# Altium PCB WX0.011.893PCB-4.2(1).PcbDoc (part 1 of 2)
Units mil, origin at the board's own origin, x right, y up, seen from the top; angles counter-clockwise.
Board outline 5217.03 x 8546.54 mil, 2 copper layers (Top Layer, Bottom Layer), stack 65.792 mil thick; 188 components, 141 nets, 602 pads, 484 vias.
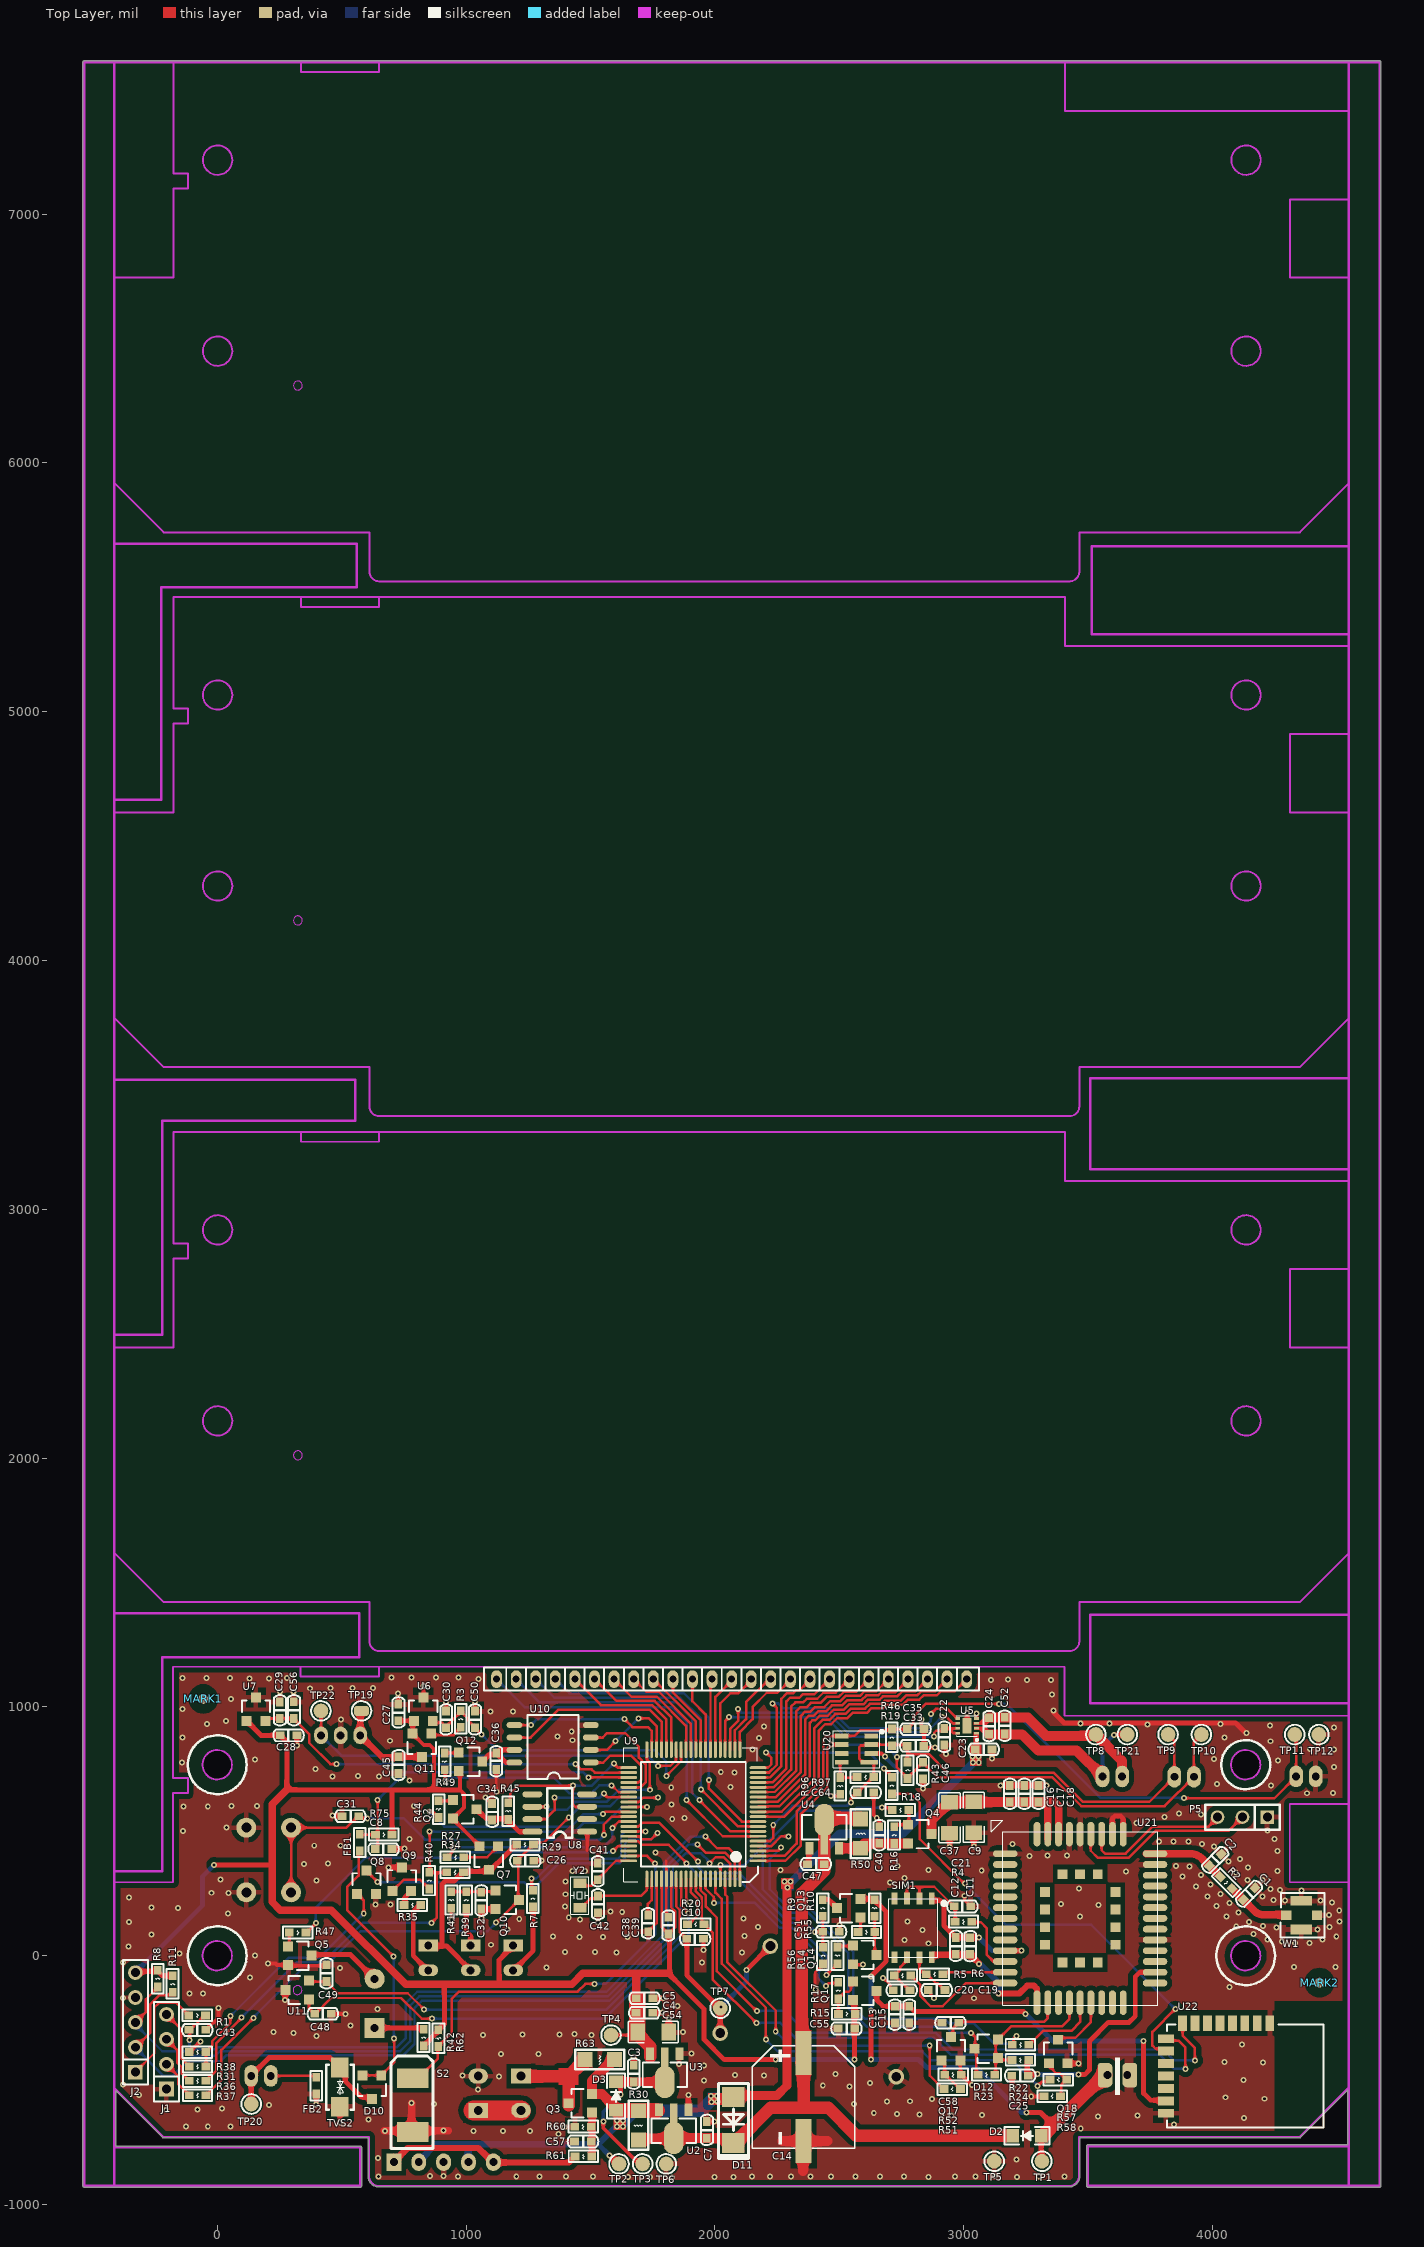
[diagram p0: Top Layer view]
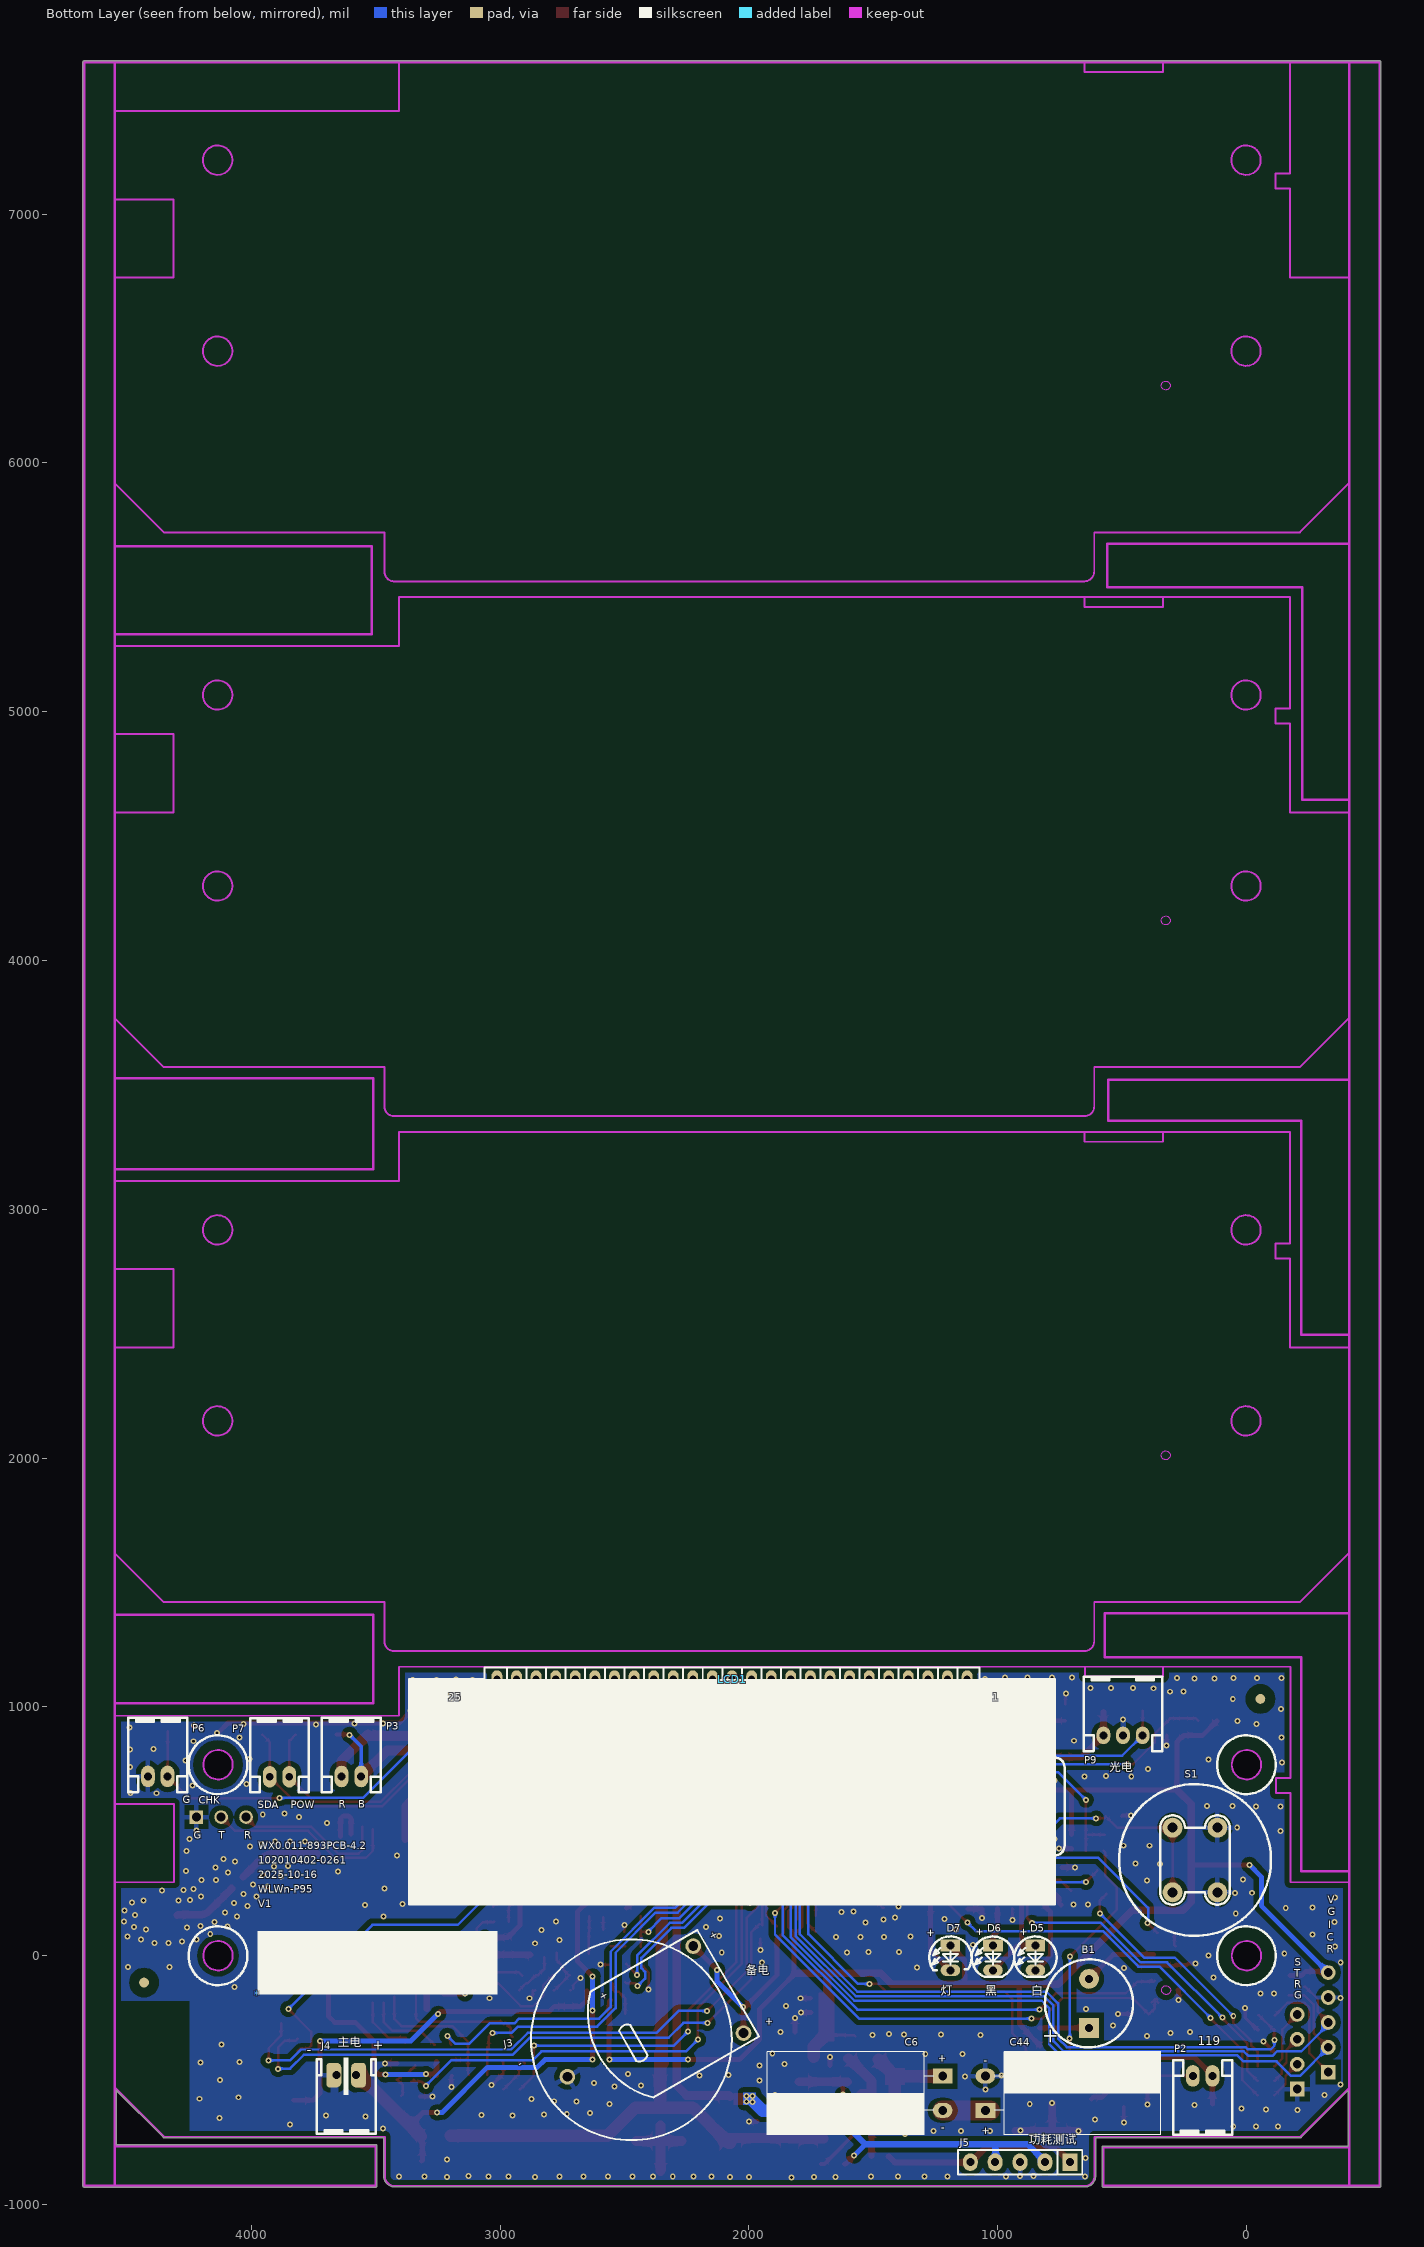
[diagram p1: Bottom Layer view, seen from below]

## Layer stack, top to bottom
Top Solder: solder mask 0.4, Solder Resist, Dk 3.5
Top Layer: signal copper 1.4
Dielectric 1: core 62.9921, FR-4, Dk 4.2
Bottom Layer: signal copper 1.4
Bottom Solder: solder mask 0.4, Solder Resist, Dk 3.5

## Board outline
-540.01,-925.21 ccw(c-535,-925.21) -535,-930.23 575,-930.23 ccw(c575,-925.21) 580.01,-925.21 580.01,-770 ccw(c575,-770) 575,-764.98 -408.37,-764.98 -408.37,-542.11 -219.33,-731.16 ccw(c-216.53,-728.36) -216.53,-732.31 606.28,-732.31 606.28,-885.84 ccw(c649.61,-885.84) 649.61,-929.16 ccw(c649.61,-925.21) 649.64,-929.16 3423.03,-929.16 ccw(c3424.13,-925.37) 3424.13,-929.32 ccw(c3424.13,-886) 3467.24,-890.28 ccw(c3463.5,-889) 3467.46,-889 3467.46,-732.31 4350.4,-732.31 ccw(c4350.4,-728.36) 4353.19,-731.16 4543.77,-540.58 4543.77,-759.98 3500,-759.98 ccw(c3500,-765) 3494.99,-765 3494.99,-925.21 ccw(c3500,-925.21) 3500,-930.23 4672,-930.23 ccw(c4672,-925.21) 4677.01,-925.21 4677.01,7611.3 ccw(c4672,7611.3) 4672,7616.32 -535,7616.32 ccw(c-535,7611.3) -540.01,7611.3
cut-out: -59.05,767.7 ccw(c0,767.7) 0,708.65 ccw(c0,767.7) 59.06,767.7 ccw(c0,767.7) 0,826.76 ccw(c0,767.7)
cut-out: -59.06,0 ccw(c0,0) 0,-59.06 ccw(c0,0) 59.06,0 ccw(c0,0) 0,59.06 ccw(c0,0)
cut-out: 4074.8,767.7 ccw(c4133.86,767.7) 4133.86,708.65 ccw(c4133.86,767.7) 4192.91,767.7 ccw(c4133.86,767.7) 4133.86,826.76 ccw(c4133.86,767.7)
cut-out: 4074.8,-0.01 ccw(c4133.86,-0.01) 4133.86,-59.07 ccw(c4133.86,-0.01) 4192.91,-0.01 ccw(c4133.86,-0.01) 4133.86,59.04 ccw(c4133.86,-0.01)

## Design rules (kind name [scope] priority, off if disabled: settings)
Clearance VIA-VIA [ISVIA vs ISVIA] p1: gap=20 ignorepadtopadclearanceinfootprint=FALSE except(0: Arc-Hole Track-Hole SMDPad-Hole THPad-Hole Via-Hole Fill-Hole Poly-Hole Region-Hole Text-Hole)
Clearance VIA-PAD [ISVIA vs ISPAD] p2: gap=15 ignorepadtopadclearanceinfootprint=FALSE except(0: Arc-Hole Track-Hole SMDPad-Hole THPad-Hole Via-Hole Fill-Hole Poly-Hole Region-Hole Text-Hole)
Clearance VIA-TRACK [ISVIA vs ISTRACK] p3: gap=15 ignorepadtopadclearanceinfootprint=FALSE except(0: Arc-Hole Track-Hole SMDPad-Hole THPad-Hole Via-Hole Fill-Hole Poly-Hole Region-Hole Text-Hole)
Clearance Polygon [InPolygon] p4: gap=20 ignorepadtopadclearanceinfootprint=FALSE except(0: Arc-Hole Track-Hole SMDPad-Hole THPad-Hole Via-Hole Fill-Hole Poly-Hole Region-Hole Text-Hole)
Clearance [All] p5: gap=7 ignorepadtopadclearanceinfootprint=FALSE except(0: Arc-Hole Track-Hole SMDPad-Hole THPad-Hole Via-Hole Fill-Hole Poly-Hole Region-Hole Text-Hole)
ComponentClearance [All] p1 off: gap=10 collisioncheckmode=3 verticalgap=10 showdistances=FALSE
FabricationTestPointUsage TestPointUsage [All] p1: valid=0 allowmultiple=FALSE
FabricationTestpoint Testpoint [(IsPad And (OnTopLayer Or OnBottomLayer))] p1: side=3 testpointundercomponent=TRUE minsize=40 maxsize=100 preferedsize=60 minholesize=0 maxholesize=40 preferedholesize=32 testpointgrid=1 allowsidetop=TRUE allowsidebottom=TRUE usegrid=TRUE gridtolerance=0.01
HoleSize [All] p1 off: absolutevalues=TRUE maxlimit=300 minlimit=0 maxpercent=80.000 minpercent=20.000
HoleToHoleClearance [All] p1 off: gap=10 allowstackedmicrovias=TRUE
LayerPairs [All] p1 off: enforce=TRUE
MinimumSolderMaskSliver [All] p1 off: minsoldermaskwidth=10
NetAntennae [All] p1 off: netantennaetolerance=0
PlaneConnect [All] p1: planeconnectstyle=Relief reliefexpansion=20 reliefentries=4 reliefconductorwidth=20 reliefairgap=10
PolygonConnect [isvia] p1: connectstyle=Direct reliefconductorwidth=15 reliefentries=4 polygonreliefangle="90 Angle" airgapwidth=10
PolygonConnect PolygonConnect_1 [All] p2: connectstyle=Relief reliefconductorwidth=20 reliefentries=4 polygonreliefangle="90 Angle" airgapwidth=20
RoutingVias [All] p1: holewidth=10 width=20 viastyle="Through Hole" minholewidth=5 minwidth=5 maxholewidth=50 maxwidth=100
SilkToBoardRegionClearance [All] p1 off:
SilkToSilkClearance [All] p1 off: silktosilkclearance=10
SilkToSolderMaskClearance [IsPad] p1 off: minsilkscreentomaskgap=10 clearancetoexposedcopper=TRUE
SolderMaskExpansion [All] p1: expansion=4
Width [All] p1: maxlimit=300 minlimit=8 preferedwidth=8
18 further rules are at their usual default settings.

## Components (designator, comment, footprint, x,y, rotation, side; value= is the part's Value field where it differs from the comment)
* "Bar Code1" "Bar Code1" 3975.83,-156.36 r180 bottom
B1 "HYT-0903" HYT-0903 633,-290 r90 bottom locked
C1 "NC" CAP0603 4171,272 r225 top
C2 "NC" CAP0603 4035,408 r225 top
C3 "10uF/10V" CAP0603 1674,-506.91 r90 top
C4 "10uF/10V" CAP0603 1684,-229 r0 top
C5 "100nF/50V" CAP0603 1685,-171 r0 top
C6 "1F/2.75V" CAPPC_350_800_1600R 1296,-385.36 r90 bottom locked
C7 "100nF/50V" CAP0603 1968,-733 r90 top
C8 "100nF/50V" CAP0603 635.84,428.64 r0 top
C9 "100uF/6.3V" GRM1206 3041,556 r180 top
C10 "100nF/50V" CAP0603 1888,68 r0 top
C11 "100nF/50V" CAP0603 3026,6 r90 top
C12 "33pF/50V" CAP0603 2968.84,6.64 r90 top
C13 "10uF/10V" CAP0603 2724,-204 r270 top
C14 "1000uF/16V" CAP-SMD_BD10.0-L10.3-W10.3-FD 2357,-568 r0 top locked
C15 "1uF/16V" CAP0603 2782,-204 r270 top
C16 "100nF/50V" CAP0603 3186,618 r90 top
C17 "33pF/50V" CAP0603 3244,618 r90 top
C18 "10pF/50V" CAP0603 3301,618 r90 top
C19 "33pF/50V" CAP0603 2925,-138 r180 top
C20 "33pF/50V" CAP0603 2784,-139 r180 top
C21 "33pF/50V" CAP0603 2962.84,198.64 r0 top
C22 "100nF/50V" CAP0603 2922,847 r90 top
C23 "100nF/50V" CAP0603 3114,829 r180 top
C24 "100nF/50V" CAP0603 3102.17,890.36 r90 top
C25 "1uF/16V" CAP0603 3260,-482 r180 top
C26 "100pF/50V" CAP0603 1206,382 r0 top
C27 "1uF/16V" CAP0603 728,945 r90 top
C28 "1uF/16V" CAP0603 254,886 r0 top
C29 "1nF/50V" CAP0603 251.84,953.64 r90 top
C30 "1nF/50V" CAP0603 920,917 r90 top
C31 "100nF/50V" CAP0603 567.84,560.64 r180 top
C32 "10pF/50V" CAP0603 1061.84,254.64 r270 top
C33 "100nF/50V" CAP0603 2839,843 r180 top
C34 "100nF/50V" CAP0603 1104.84,545.64 r90 top
C35 "100nF/50V" CAP0603 2774,911 r0 top
C36 "100nF/50V" CAP0603 1121.84,814.64 r270 top
C37 "100uF/16V" GRM31CR60J107ME39L 2944,617 r270 top
C38 "100nF/50V" CAP0603 1732,163 r270 top
C39 "100nF/50V" CAP0603 1814,154 r270 top
C40 "100nF/50V" CAP0603 2661,452 r90 top
C41 "12pF/50V" CAP0603 1530,372 r270 top
C42 "12pF/50V" CAP0603 1530.84,239.64 r270 top
C43 "33pF/50V" CAP0603 -113,-298 r0 top
C44 "1F/2.75V" CAPPC_350_800_1600R 974,-720 r270 bottom locked
C45 "1uF/16V" CAP0603 729,799 r270 top
C46 "33pF/50V" CAP0603 2837,777 r270 top
C47 "100nF/50V" CAP0603 2439,368 r180 top
C48 "1uF/16V" CAP0603 392,-233 r0 top
C49 "1nF/50V" CAP0603 439,-103 r90 top
C50 "33pF/50V" CAP0603 1035.84,917 r90 top
C51 "10pF/50V" CAP0603 2500,96 r180 top
C52 "33pF/50V" CAP0603 3165,892 r90 top
C54 "100uF/16V" GRM31CR60J107ME39L 1690,-307 r0 top
C55 "22pF/50V" CAP0603 2562,-293 r180 top
C56 "33pF/50V" CAP0603 308,954 r90 top
C57 "100nF" CAP0603 1503,-747 r180 top
C58 "100nF/50V" CAP0603 2980,-270 r180 top
C64 "100nF/50V" CAP0603 2639,656 r180 top
D2 "DS36W" SOD-123FL 3314.96,-724 r180 top locked
D3 "DS12W" SOD-123FL 1603,-624 r90 top
D5 "AT203" IR_254_532_300 848.31,41.42 r180 bottom locked
D6 "AT403" IR_254_532_300 1018.9,41.42 r180 bottom locked
D7 "LED_T3R" LED2_300 1189.8,41.42 r180 bottom locked
D10 "BAT54CLT1" SOT-23 622,-528 r180 top
D11 "SS12" DO-214AC 2075,-660 r270 top
D12 "BAT54CLT1" SOT-23 3091,-374 r90 top
FB1 "FB03SN3000_30R" IND0603 573,488 r270 top
FB2 "FB03SN3000_30R" IND0603 398,-556 r90 top
J1 "PIN254_1*4*WXHJ" PIN254_1*4*WXHJ -204,-536 r90 top locked
J2 "PIN254_1*5*WXHJ" PIN254_1*5*WXHJ -329,-468 r90 top locked
J3 "PH200_1*2R" BAT 2472,-338 r150 bottom locked
J4 "PH200_1*2R" PH200_1*2R_BAT 3615.51,-585 r0 bottom locked
J5 "Pin HDR1X5" "Pin HDR1X5/2.54mm-S" 710,-830 r270 bottom locked
LCD1 "GVH21861A-HPP" LCD_GVH21861A-HPP 1122.84,1111.64 r180 bottom locked
MARK1 "MARK" MARK -56,1032 r90 top
MARK2 "MARK" MARK 4431,-108 r90 top
P2 "PH200_1*2R" PH200_1*2R 176,-483 r180 bottom locked
P3 "PH200_1*2R" PH200_1*2R 3597.94,720.28 r0 bottom locked
P5 "CON3" SIP-3 4221,557 r180 top
P6 "PH200_1*2R" PH200_1*2R 4376.06,720.55 r0 bottom locked
P7 "PH200_1*2R" PH200_1*2R 3886.58,719.06 r0 bottom locked
P9 "PH200_1*3R" PH200_1*3R 574.84,885.67 r0 bottom locked
Q1 "UT3401ZG" SOT-23 2603,-141 r270 top
Q2 "PNPS-9012" SOT-23 994.84,588.64 r270 top
Q3 "UT3401ZG" SOT-23 1460,-593 r90 top
Q4 "UT3401ZG" SOT-23 2823,489 r270 top
Q5 "NPNS-9013" SOT-23 332,0 r270 top
Q7 "PNPS-9012" SOT-23 1091.84,392.64 r180 top
Q8 "NPNS-9013" SOT-23 600,296 r0 top
Q9 "PNPS-9012" SOT-23 742,308 r0 top
Q10 "NPNS-9013" SOT-23 1165.84,224.64 r270 top
Q11 "PNPS-9012" SOT-23 822.83,846.46 r180 top locked
Q12 "PNPS-9012" SOT-23 1018,780 r270 top
Q13 "PNPS-9012" SOT-23 2539,191 r90 top
Q14 "NPNS-9013" SOT-23 2602,3 r270 top
Q17 "NPNS-9013" SOT-23 2949.5,-374 r0 top
Q18 "NPNS-9013" SOT-23 3380,-385 r0 top
R1 "100R 5%" RES0603 -47,-240 r180 top
R2 "0R" RES0603 4079,270 r135 top
R3 "3K 5%" RES0603 979,985 r270 top
R4 "22R 5%" RES0603 3032.84,136.64 r180 top
R5 "22R 5%" RES0603 2720.84,-79.36 r0 top
R6 "22R 5%" RES0603 2850,-74 r0 top
R7 "1K 5%" RES0603 1269,263 r270 top
R8 "10K 5%" RES0603 -239,-59 r270 top
R9 "330K 5%" RES0603 2434,225 r270 top
R10 "10K 5%" RES0603 2642,158 r90 top
R11 "10K 5%" RES0603 -179,-80 r270 top
R14 "3K 5%" RES0603 2493,-32 r90 top
R15 "2M 5%" RES0603 2564,-234 r180 top
R16 "2M 5%" RES0603 2721,518 r270 top
R17 "200K 5%" RES0603 2496,-107 r270 top
R18 "200K 5%" RES0603 2713,586 r0 top
R19 "1K 5%" RES0603 2712,717 r270 top
R20 "1K 5%" RES0603 1890,127 r0 top
R22 "1K 5%" RES0603 3195.5,-358 r0 top
R23 "1K 5%" RES0603 3125,-478 r180 top
R24 "20K 5%" RES0603 3261.5,-419 r180 top
R27 "3K 5%" RES0603 923.84,395.64 r0 top
R29 "20K 5%" RES0603 1204,447 r0 top
R30 "0R 5%" RES1206 1692.84,-741.36 r90 top
R31 "3K 5%" RES0603 -112,-445 r0 top
R34 "20K 5%" RES0603 922.84,335.64 r0 top
R35 "100R 5%" RES0603 751,204 r0 top
R36 "1K 5%" RES0603 -112,-503 r0 top
R37 "1K 5%" RES0603 -112,-561 r0 top
R38 "1K 5%" RES0603 -113,-387 r0 top
R39 "20K 5%" RES0603 1000.84,256.64 r270 top
R40 "3K 5%" RES0603 852,335 r270 top
R41 "47K 5%" RES0603 940.84,190.64 r90 top
R42 "51R 5%" RES0603 830,-296 r270 top
R43 "5.1K 5%" RES0603 2775,779 r270 top
R44 "3K 5%" RES0603 889.84,555.64 r90 top
R45 "20K 5%" RES0603 1169.84,547.64 r90 top
R46 "5.1K 5%" RES0603 2712,911 r270 top
R47 "3K 5%" RES0603 357,93 r180 top
R49 "3K 5%" RES0603 914,748 r90 top
R50 "0R 5%" RES1206 2586,550 r270 top
R51 "3K 5%" RES0603 2921,-536 r0 top
R52 "20K 5%" RES0603 2991,-478 r180 top
R55 "10K 5%" RES0603 2643,95 r180 top
R56 "220K 5%" RES0603 2435,34 r270 top
R57 "3K 5%" RES0603 3347.5,-498 r0 top
R58 "20K 5%" RES0603 3323,-565 r0 top
R60 "1M" RES0603 1504,-687 r180 top
R61 "10R" RES0603 1505,-807 r180 top
R62 "1M 5%" RES0603 889,-365 r90 top
R63 "0R" RES1206 1597,-418 r180 top
R75 "0R 5%" RES0603 702.84,486.64 r180 top
R96 "10K 5%" RES0603 2504,649 r90 top
R97 "10K/NC" RES0603 2572,718 r0 top
S1 "SWT_4_600_600_430" SWT_4_600_600 206.85,384.65 r270 bottom locked
S2 "SWS_2_520_300_300" SWS_2_520_300 786,-492 r90 top
SIM1 "SIMIC" SIMIC 2698.84,-6.36 r0 top locked
TP1 "TEST-PAD" TEST-PAD#1 3314.96,-826 r0 top locked
TP2 "TEST-PAD" TEST-PAD#1 1615,-837 r0 top
TP3 "TEST-PAD" TEST-PAD#1 1710,-837 r0 top
TP4 "TEST-PAD" TEST-PAD#1 1583,-319 r0 top
TP5 "TEST-PAD" TEST-PAD#1 3123,-826 r0 top
TP6 "TEST-PAD" TEST-PAD#1 1805,-837 r0 top
TP7 "TEST-PAD" TEST-PAD#1 2021.72,-211 r0 top
TP8 "TEST-PAD" TEST-PAD#1 3532,889 r0 top
TP9 "TEST-PAD" TEST-PAD#1 3822,889 r0 top
TP10 "TEST-PAD" TEST-PAD#1 3956,889 r90 top
TP11 "TEST-PAD" TEST-PAD#1 4331,889 r90 top
TP12 "TEST-PAD" TEST-PAD#1 4428,889 r90 top
TP19 "TEST-PAD" TEST-PAD#2 580,984 r90 top
TP20 "TEST-PAD" TEST-PAD#1 136.63,-596 r90 top locked